# Altium PCB 4_layers_Testboard.PcbDoc (part 1 of 3) (continued)
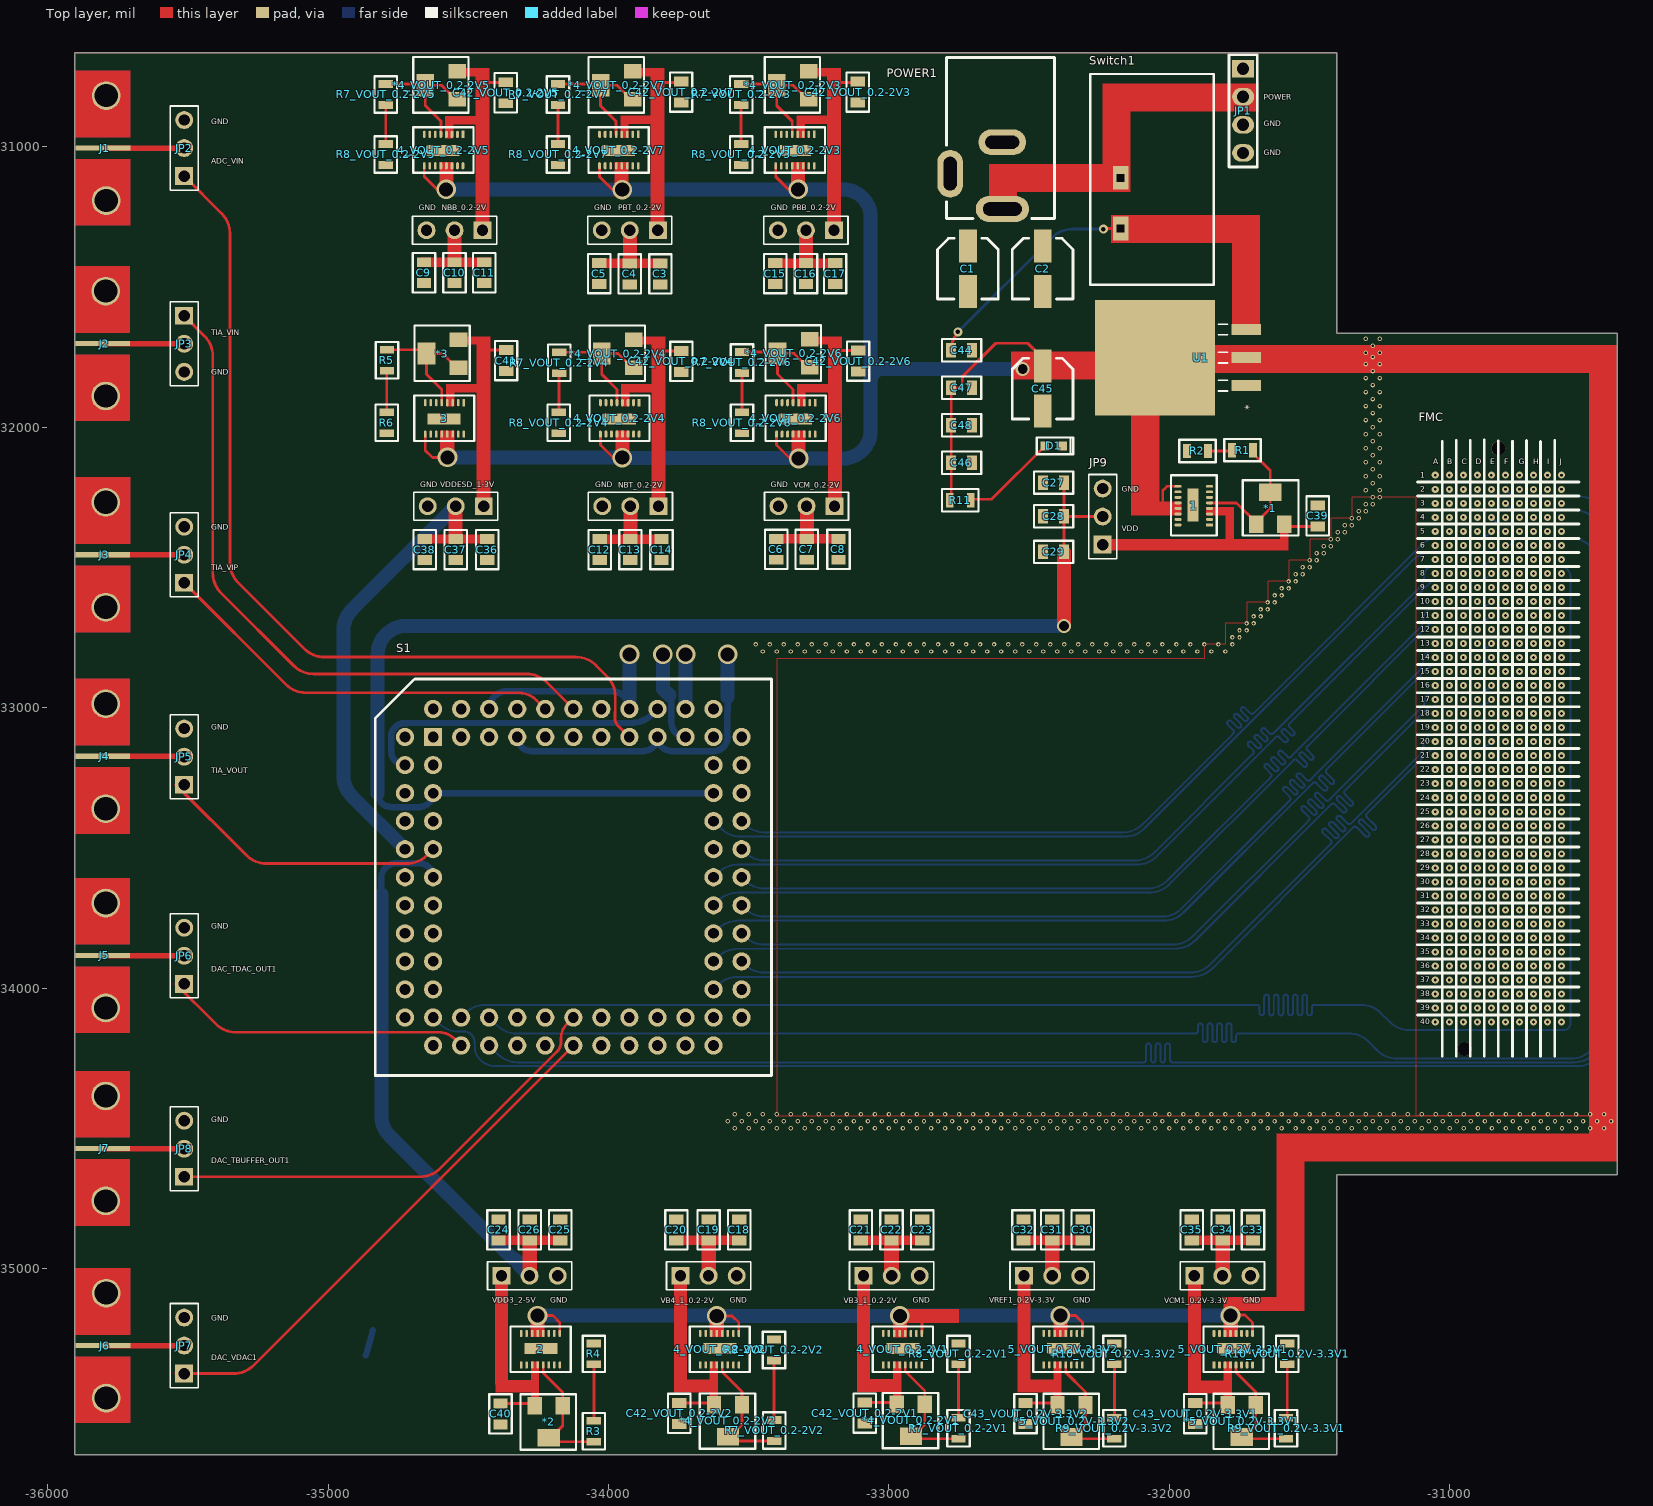
[diagram p0: Top layer view]
## Part data
1 2 3 4_VOUT_0.2-2V1 4_VOUT_0.2-2V2 4_VOUT_0.2-2V3 4_VOUT_0.2-2V4 4_VOUT_0.2-2V5 4_VOUT_0.2-2V6 4_VOUT_0.2-2V7 5_VOUT_0.2V-3.3V1 5_VOUT_0.2V-3.3V2: library part LT3022, "Linear Voltage Regulator IC Positive Adjustable 1 Output 1A 16-DFN (5x3)"
C1 C2 C45: library part CAP-10uF, "CAP ALUM 100UF 20% 10V SMD", ESR (Equivalent Series Resistance)=-, Lifetime @ Temp.="1000 Hrs @ 85°C", Manufacturer="Panasonic Electronic Components", Manufacturer Part Number=EEE-1AA101WR, Operating Temperature="-40°C ~ 85°C", Package / Case="Radial, Can - SMD", Ratings=AEC-Q200, Supplier Part Number 1=PCE3867CT-ND, Tolerance=±20%, Applications=Automotive, Category=Capacitors, ComponentLink1Description=https://industrial.panasonic.com/cdbs/www-data/pdf/RDE0000/ABA0000C1145.pdf, ComponentLink1URL=https://industrial.panasonic.com/cdbs/www-data/pdf/RDE0000/ABA0000C1145.pdf, Height - Seated (Max)="0.213\" (5.40mm)", Lead Spacing=-, Mounting Type="Surface Mount", Packaging="Cut Tape (CT)", Part Status=Active, Polarization=Polar, Pricing 1="1=0.31, 10=0.212, 100=0.1272, 500=0.09538 (USD)", RoHS="RoHS Compliant", Size / Dimension="0.197\" Dia (5.00mm)", Stock 1=89696, Supplier 1=Digi-Key, Surface Mount Land Size="0.209\" L x 0.209\" W (5.30mm x 5.30mm)"
C3 C6 C9 C12 C15 C18 C21 C24 C27 C30 C33 C36: library part "Cap 0.1uF", "Cap 0.1uF", Capacitance=10nF, Case Code (Imperial)=0805, Case Code (Metric)=2012, Dielectric Material=Ceramic, Manufacturer="Taiyo Yuden", Manufacturer Part Number=UMK212SD103KD-T, Max Operating Temperature=125°C, Min Operating Temperature=-55°C, Package Quantity=1, Supplier Part Number 1=587-1114-1-ND, Tolerance=10%, Voltage Rating=50V, Case/Package=0805, ComponentLink1Description=https://datasheet.ciiva.com/138/umk212sd103kd-t-ss-138661.pdf, ComponentLink1URL=https://datasheet.ciiva.com/138/umk212sd103kd-t-ss-138661.pdf, ComponentLink2Description=https://datasheet.ciiva.com/138/mlcc07-e-138662.pdf, ComponentLink2URL=https://datasheet.ciiva.com/138/mlcc07-e-138662.pdf, ComponentLink3Description=https://datasheet.ciiva.com/138/mlcc07-e-138663.pdf, ComponentLink3URL=https://datasheet.ciiva.com/138/mlcc07-e-138663.pdf, ComponentLink4Description=https://datasheet.ciiva.com/30140/303umk212sd103kd-t-30140925.pdf, ComponentLink4URL=https://datasheet.ciiva.com/30140/303umk212sd103kd-t-30140925.pdf, Depth=1.25mm, Halogen Free="Halogen Free", Height=0.85mm, Lead Free="Lead Free", Length=2mm, Mount="Surface Mount", Number of Pins=2, Packaging="Tape and Reel", Pricing 1="1=0.47, 10=0.323, 100=0.1941, 500=0.1455, 1000=0.1229 (USD)", Radiation Hardening=No, Stock 1=14125, Supplier 1=Digi-Key, Termination=SMD/SMT, Thickness=0.037inch, Voltage Rating (DC)=50V, Width=0.049inch
C4 C7 C10 C13 C16 C19 C22 C25 C28 C31 C34 C37: library part "Cap 1uF", "Cap 1uF", Capacitance=10nF, Case Code (Imperial)=0805, Case Code (Metric)=2012, Dielectric Material=Ceramic, Manufacturer="Taiyo Yuden", Manufacturer Part Number=UMK212SD103KD-T, Max Operating Temperature=125°C, Min Operating Temperature=-55°C, Package Quantity=1, Supplier Part Number 1=587-1114-1-ND, Tolerance=10%, Voltage Rating=50V, Case/Package=0805, ComponentLink1Description=https://datasheet.ciiva.com/138/umk212sd103kd-t-ss-138661.pdf, ComponentLink1URL=https://datasheet.ciiva.com/138/umk212sd103kd-t-ss-138661.pdf, ComponentLink2Description=https://datasheet.ciiva.com/138/mlcc07-e-138662.pdf, ComponentLink2URL=https://datasheet.ciiva.com/138/mlcc07-e-138662.pdf, ComponentLink3Description=https://datasheet.ciiva.com/138/mlcc07-e-138663.pdf, ComponentLink3URL=https://datasheet.ciiva.com/138/mlcc07-e-138663.pdf, ComponentLink4Description=https://datasheet.ciiva.com/30140/303umk212sd103kd-t-30140925.pdf, ComponentLink4URL=https://datasheet.ciiva.com/30140/303umk212sd103kd-t-30140925.pdf, Depth=1.25mm, Halogen Free="Halogen Free", Height=0.85mm, Lead Free="Lead Free", Length=2mm, Mount="Surface Mount", Number of Pins=2, Packaging="Tape and Reel", Pricing 1="1=0.47, 10=0.323, 100=0.1941, 500=0.1455, 1000=0.1229 (USD)", Radiation Hardening=No, Stock 1=14125, Supplier 1=Digi-Key, Termination=SMD/SMT, Thickness=0.037inch, Voltage Rating (DC)=50V, Width=0.049inch
C5 C8 C11 C14 C17 C20 C23 C26 C29 C32 C35 C38: library part "Cap 100pF", "Cap 100pF", Capacitance=10nF, Case Code (Imperial)=0805, Case Code (Metric)=2012, Dielectric Material=Ceramic, Manufacturer="Taiyo Yuden", Manufacturer Part Number=UMK212SD103KD-T, Max Operating Temperature=125°C, Min Operating Temperature=-55°C, Package Quantity=1, Supplier Part Number 1=587-1114-1-ND, Tolerance=10%, Voltage Rating=50V, Case/Package=0805, ComponentLink1Description=https://datasheet.ciiva.com/138/umk212sd103kd-t-ss-138661.pdf, ComponentLink1URL=https://datasheet.ciiva.com/138/umk212sd103kd-t-ss-138661.pdf, ComponentLink2Description=https://datasheet.ciiva.com/138/mlcc07-e-138662.pdf, ComponentLink2URL=https://datasheet.ciiva.com/138/mlcc07-e-138662.pdf, ComponentLink3Description=https://datasheet.ciiva.com/138/mlcc07-e-138663.pdf, ComponentLink3URL=https://datasheet.ciiva.com/138/mlcc07-e-138663.pdf, ComponentLink4Description=https://datasheet.ciiva.com/30140/303umk212sd103kd-t-30140925.pdf, ComponentLink4URL=https://datasheet.ciiva.com/30140/303umk212sd103kd-t-30140925.pdf, Depth=1.25mm, Halogen Free="Halogen Free", Height=0.85mm, Lead Free="Lead Free", Length=2mm, Mount="Surface Mount", Number of Pins=2, Packaging="Tape and Reel", Pricing 1="1=0.47, 10=0.323, 100=0.1941, 500=0.1455, 1000=0.1229 (USD)", Radiation Hardening=No, Stock 1=14125, Supplier 1=Digi-Key, Termination=SMD/SMT, Thickness=0.037inch, Voltage Rating (DC)=50V, Width=0.049inch
C39 C40 C41 C42_VOUT_0.2-2V1 C42_VOUT_0.2-2V2 C42_VOUT_0.2-2V3 C42_VOUT_0.2-2V4 C42_VOUT_0.2-2V5 C42_VOUT_0.2-2V6 C42_VOUT_0.2-2V7 C43_VOUT_0.2V-3.3V1 C43_VOUT_0.2V-3.3V2: library part "Cap 10uF", "Cap 10uF", Capacitance=10nF, Case Code (Imperial)=0805, Case Code (Metric)=2012, Dielectric Material=Ceramic, Manufacturer="Taiyo Yuden", Manufacturer Part Number=UMK212SD103KD-T, Max Operating Temperature=125°C, Min Operating Temperature=-55°C, Package Quantity=1, Supplier Part Number 1=587-1114-1-ND, Tolerance=10%, Voltage Rating=50V, Case/Package=0805, ComponentLink1Description=https://datasheet.ciiva.com/138/umk212sd103kd-t-ss-138661.pdf, ComponentLink1URL=https://datasheet.ciiva.com/138/umk212sd103kd-t-ss-138661.pdf, ComponentLink2Description=https://datasheet.ciiva.com/138/mlcc07-e-138662.pdf, ComponentLink2URL=https://datasheet.ciiva.com/138/mlcc07-e-138662.pdf, ComponentLink3Description=https://datasheet.ciiva.com/138/mlcc07-e-138663.pdf, ComponentLink3URL=https://datasheet.ciiva.com/138/mlcc07-e-138663.pdf, ComponentLink4Description=https://datasheet.ciiva.com/30140/303umk212sd103kd-t-30140925.pdf, ComponentLink4URL=https://datasheet.ciiva.com/30140/303umk212sd103kd-t-30140925.pdf, Depth=1.25mm, Halogen Free="Halogen Free", Height=0.85mm, Lead Free="Lead Free", Length=2mm, Mount="Surface Mount", Number of Pins=2, Packaging="Tape and Reel", Pricing 1="1=0.47, 10=0.323, 100=0.1941, 500=0.1455, 1000=0.1229 (USD)", Radiation Hardening=No, Stock 1=14125, Supplier 1=Digi-Key, Termination=SMD/SMT, Thickness=0.037inch, Voltage Rating (DC)=50V, Width=0.049inch
C44 C46 C47 C48: library part UMK212SD103KD-T, "CAP 10nF 50V RF", Capacitance=10nF, Case Code (Imperial)=0805, Case Code (Metric)=2012, Dielectric Material=Ceramic, Manufacturer="Taiyo Yuden", Max Operating Temperature=125°C, Min Operating Temperature=-55°C, Package Quantity=1, Supplier Part Number 1=587-1114-1-ND, Tolerance=10%, Voltage Rating=50V, Case/Package=0805, ComponentLink1Description=https://datasheet.ciiva.com/138/umk212sd103kd-t-ss-138661.pdf, ComponentLink1URL=https://datasheet.ciiva.com/138/umk212sd103kd-t-ss-138661.pdf, ComponentLink2Description=https://datasheet.ciiva.com/138/mlcc07-e-138662.pdf, ComponentLink2URL=https://datasheet.ciiva.com/138/mlcc07-e-138662.pdf, ComponentLink3Description=https://datasheet.ciiva.com/138/mlcc07-e-138663.pdf, ComponentLink3URL=https://datasheet.ciiva.com/138/mlcc07-e-138663.pdf, ComponentLink4Description=https://datasheet.ciiva.com/30140/303umk212sd103kd-t-30140925.pdf, ComponentLink4URL=https://datasheet.ciiva.com/30140/303umk212sd103kd-t-30140925.pdf, Depth=1.25mm, Halogen Free="Halogen Free", Height=0.85mm, Lead Free="Lead Free", Length=2mm, Manufacturer Part Number=UMK212SD103KD-T, Mount="Surface Mount", Number of Pins=2, Packaging="Tape and Reel", Pricing 1="1=0.47, 10=0.323, 100=0.1941, 500=0.1455, 1000=0.1229 (USD)", Radiation Hardening=No, Stock 1=14125, Supplier 1=Digi-Key, Termination=SMD/SMT, Thickness=0.037inch, Voltage Rating (DC)=50V, Width=0.049inch
D1: library part "LG L29K-G2J1-24-Z", "LED GREEN DIFFUSED 0603 SMD", Current - Test=2mA, Lens Color=White, Manufacturer="OSRAM Opto Semiconductors Inc.", Millicandela Rating=3.92mcd, Package / Case="0603 (1608 Metric)", Supplier Device Package=0603, Supplier Part Number 1=475-2709-1-ND, Voltage - Forward (Vf) (Typ)=1.7V, Category=Optoelectronics, Color=Green, ComponentLink1Description=http://www.osram-os.com/Graphics/XPic0/00167682_0.pdf, ComponentLink1URL=http://www.osram-os.com/Graphics/XPic0/00167682_0.pdf, Features=-, Height (Max)=0.65mm, Lens Style/Size="Rectangle with Flat Top, 1.30mm x 0.80mm", Lens Transparency=Diffused, Manufacturer Part Number="LG L29K-G2J1-24-Z", Mounting Type="Surface Mount", Packaging="Cut Tape (CT)", Part Status=Active, Pricing 1="1=0.47, 10=0.339, 25=0.2768, 100=0.2215, 250=0.18688, 500=0.15918, 1000=0.12458, 2500=0.1142 (USD)", RoHS="RoHS Compliant", Size / Dimension="1.70mm L x 0.80mm W", Stock 1=0, Supplier 1=Digi-Key, Viewing Angle=160°, Wavelength - Dominant=570nm, Wavelength - Peak=572nm
J1 J2 J3 J4 J5 J6 J7: "SMA Right Angle Jack, Edge Mount Screw On, Heavy Duty, Up to 18 GHz, -65 to 165 degC", PartNumber=32K243-40ML5, ComponentLink1Description="Manufacturer URL", ComponentLink1URL=http://www.rosenberger.de, ComponentLink2Description=Datasheet, ComponentLink2URL=http://rosenberger.de/ok/images/documents/db/32K243-40ML5.pdf, ComponentLink3Description="Package Specification", ComponentLink3URL=http://rosenberger.de/ok/images/documents/db/32K243-40ML5.pdf, ComponentLink4Description="Series Overview / Design Note", ComponentLink4URL=http://rosenberger.de/ok/images/documents/spez/32.pdf, ComponentLink5Description="Webshop / RFQ", ComponentLink5URL=http://www.rosenberger.com/en/contact/sales/, DatasheetVersion=c00, Design Note="Footprint in library is a generic example - only application specific footprint delivers High Performance", Mounting Technology="Surface Mount", PackageDescription="SMA Right Angle Jack, Edge Mount Screw On, 14.50 x 14.00 x 5.15 mm", PackageReference=32K243-40ML5, PackageVersion=c00
JP1: library part 68000-204HLF, "B.II CONN HEADER 4POS .100 STR 15AU", Colour=Black, Current Rating=3A, Flammability Rating="UL94 V-0", Insulation Resistance=5GR, Manufacturer="Amphenol FCI", Max Operating Temperature=125°C, Max Voltage Rating (AC)=1.5kV, Min Operating Temperature=-65°C, Package Quantity=100, Supplier Part Number 1=609-3255-ND, ComponentLink1Description=https://datasheet.ciiva.com/728/68000-728901.pdf, ComponentLink1URL=https://datasheet.ciiva.com/728/68000-728901.pdf, ComponentLink2Description=https://datasheet.ciiva.com/22873/70302489-22873093.pdf, ComponentLink2URL=https://datasheet.ciiva.com/22873/70302489-22873093.pdf, ComponentLink3Description=https://datasheet.ciiva.com/10149/68000-10149835.pdf, ComponentLink3URL=https://datasheet.ciiva.com/10149/68000-10149835.pdf, ComponentLink4Description=https://datasheet.ciiva.com/5149/68000-274280-5149869.pdf, ComponentLink4URL=https://datasheet.ciiva.com/5149/68000-274280-5149869.pdf, ComponentLink5Description=https://datasheet.ciiva.com/46395/1914865-46395853.pdf, ComponentLink5URL=https://datasheet.ciiva.com/46395/1914865-46395853.pdf, Connector Type="Male Pin", Contact Gender=Male, Contact Material=Bronze, Contact Mating Length=0.23inch, Contact Plating=Nickel,Gold,GXT, Depth=2.41mm, Gender=Male, Housing Colour=Black, Housing Material=Thermoplastic, Length=10.16mm, Manufacturer Part Number=68000-204HLF, Mating Post Length=5.84mm, Mount="Through Hole", Number of Contacts=4, Number of Positions=4, Number of Rows=1, Orientation=Straight, Packaging=Bulk, Pitch=2.54mm, Pricing 1="1=0.31, 10=0.293, 100=0.2048, 500=0.1756, 1000=0.1463, 5000=0.1254, 10000=0.117 (USD)", Radiation Hardening=No, Stock 1=4921, Supplier 1=Digi-Key, Termination=Solder, Termination Post Length=2.41mm, Voltage Rating=1.5kV
JP2 JP3 JP4 JP5 JP6 JP7 JP8 JP9 NBB_0.2-2V NBT_0.2-2V PBB_0.2-2V PBT_0.2-2V VB3_1_0.2-2V VB4_1_0.2-2V VCM1_0.2V-3.3V VCM_0.2-2V VDD3_2-5V VDDESD_1-3V VREF1_0.2V-3.3V: library part Jumper-01x03, "01X03 generic terminal connector"
POWER1: "PJ-002AH", Colour=Black, Current Rating=5A, Flammability Rating="UL94 V-0", Insulation Resistance=50MR, Manufacturer=CUI, Max Operating Temperature=85°C, Min Operating Temperature=-25°C, Package Quantity=500, Supplier Part Number 1=CP-002AH-ND, Voltage Rating=24V, ComponentLink1Description=http://www.cui.com/Product/Resource/FuturePDF/PJ-002AH.pdf, ComponentLink1URL=http://www.cui.com/Product/Resource/FuturePDF/PJ-002AH.pdf, ComponentLink2Description=http://www.cui.com/product/resource/digikeypdf/pj-002ah.pdf, ComponentLink2URL=http://www.cui.com/product/resource/digikeypdf/pj-002ah.pdf, ComponentLink3Description=http://www.mouser.com/ds/2/670/pj-002ah-516007.pdf, ComponentLink3URL=http://www.mouser.com/ds/2/670/pj-002ah-516007.pdf, Connector Type=Jack, Contact Gender=Male, Contact Material="Copper,Copper Alloy", Contact Plating=Nickel, Diameter=2.1mm, Gender=Male, Housing Colour=Black, Housing Material=Thermoplastic, Lead Free="Lead Free", Manufacturer Part Number=PJ-002AH, Mount="Through Hole", Number of Conductors=2, Orientation=Horizontal, Packaging=Bulk, Pricing 1="1=0.74, 10=0.696, 25=0.6264, 50=0.5568, 100=0.5336, 250=0.4872, 500=0.464, 1000=0.3828, 2500=0.348 (USD)", Shielding=Unshielded, Stock 1=95768, Supplier 1=Digi-Key, Termination="Through Hole"
R1 R2 R3 R4 R5 R6 R7_VOUT_0.2-2V1 R7_VOUT_0.2-2V2 R7_VOUT_0.2-2V3 R7_VOUT_0.2-2V4 R7_VOUT_0.2-2V5 R7_VOUT_0.2-2V6 R7_VOUT_0.2-2V7 R8_VOUT_0.2-2V1 R8_VOUT_0.2-2V2 R8_VOUT_0.2-2V3 R8_VOUT_0.2-2V4 R8_VOUT_0.2-2V5 R8_VOUT_0.2-2V6 R8_VOUT_0.2-2V7 R9_VOUT_0.2V-3.3V1 R9_VOUT_0.2V-3.3V2 R10_VOUT_0.2V-3.3V1 R10_VOUT_0.2V-3.3V2: library part "Res 100"
R11: library part RES
S1: library part 940-44-020-24-000000, Case/Package=PLCC, Manufacturer=Mill-Max, Max Operating Temperature=120°C, Min Operating Temperature=-40°C, Package Quantity=38, Supplier Part Number 1=ED90005-ND, Body Material=PPS, Category="IC and Component Sockets", ComponentLink1Description=https://datasheet.ciiva.com/3963/940-44-020-24-000000-3963718.pdf?src-supplier=Arrow+Electronics, ComponentLink1URL=https://datasheet.ciiva.com/3963/940-44-020-24-000000-3963718.pdf?src-supplier=Arrow+Electronics, ComponentLink2Description=https://datasheet.ciiva.com/16425/9404402024000000-16425193.pdf?src-supplier=Future+Electronics, ComponentLink2URL=https://datasheet.ciiva.com/16425/9404402024000000-16425193.pdf?src-supplier=Future+Electronics, Contact Material=Copper, Contact Plating=Tin, Contact Type="Type D", Depth=15.57mm, Housing Material=Polyphenylene, Insulation Material=Polyphenylene, Lead Free="Lead Free", Length=15.57mm, Manufacturer Part Number=940-44-020-24-000000, Mount="Through Hole", Number of Contacts=20, Number of Pins=20, Number of Positions=20, Number of Rows=4, Orientation=Straight, Packaging=Rail/Tube, Pitch=0.1inch, Pricing 1="1=1.60000, 10=1.44800, 25=1.35920, 50=1.30020, 100=1.24110, 250=1.12292, 500=1.03426, 1000=0.88650, 2500=0.82740 (USD)", RoHS=Yes, RoHS Compliant=Yes, Series=940, Stock 1=458, Supplier 1=Digi-Key, Termination=Solder, Width=15.57mm
Switch1: "L101011MS02Q", Contact Current Rating=2A, Current Rating=4A, Manufacturer="ITT C&K", Max Operating Temperature=65°C, Max Voltage Rating (AC)=250V, Max Voltage Rating (DC)=125V, Min Operating Temperature=-30°C, Package Quantity=1, Supplier Part Number 1=CKC5106-ND, Voltage Rating (DC)=28V, Actuator Length=5.08mm, Actuator Material=Nylon,Polyamide, ComponentLink1Description=https://datasheet.ciiva.com/17406/l-10jun14-17406600.pdf, ComponentLink1URL=https://datasheet.ciiva.com/17406/l-10jun14-17406600.pdf, ComponentLink2Description=https://datasheet.ciiva.com/18147/getdatasheetpartid-301248-18147196.pdf, ComponentLink2URL=https://datasheet.ciiva.com/18147/getdatasheetpartid-301248-18147196.pdf, ComponentLink3Description=https://datasheet.ciiva.com/2889/l-10jun14-2889869.pdf, ComponentLink3URL=https://datasheet.ciiva.com/2889/l-10jun14-2889869.pdf, Contact Material=Copper, Contact Plating=Silver, Depth=10.8mm, Electrical Life=10000Cycles, Housing Material=Nylon, Lead Free="Lead Free", Length=19.1mm, Manufacturer Part Number=L101011MS02Q, Max Current Rating=4A, Mount="Through Hole", Orientation=Straight, Packaging=Bulk, Pricing 1="1=1.65, 10=1.584, 25=1.5504, 50=1.3482, 100=1.3145, 250=1.2808, 500=1.0786, 1000=1.0112, 5000=0.9269 (USD)", Radiation Hardening=No, Stock 1=8267, Supplier 1=Digi-Key, Switch Function=On-Off, Switch Travel=3.81mm, Termination="PC Pins", Throw Configuration=SPST, Voltage Rating (AC)=125V
U1: library part LM1085-IS-5.0/NOP, "No Description Available", Manufacturer_Part_Number=LM1085IS-5.0/NOPB, Supplier Part Number 1=LM1085IS-5.0/NOPB-ND, Built_By=EMA_UL_Team, Copyright="Copyright (C) 2018 Accelerated Designs. All rights reserved", RefDes=RefDes, SourceLibrary=National_2011-09-26, Supplier 1=Digi-Key, Type=DEV, Vendor="Texas Instruments"

## Via types
v1: diameter 25, hole 10, Top layer to Bottom Layer, 399 vias
v2: diameter 16, hole 8, Top layer to Bottom Layer, 336 vias
v3: diameter 70, hole 50, Top layer to Bottom Layer, 15 vias
v4: diameter 50, hole 35, Top layer to Bottom Layer, 2 vias
v5: diameter 32, hole 16, Top layer to Bottom Layer, 2 vias
v6: diameter 25, hole 10, Top layer to Bottom Layer, tented both sides, 1 vias

## Nets (pads, with @x,y where several pads share a name; then routed paths per layer and width w, separated by ;. In a path a pad name is that pad's centre, name@x,y a point inside that pad or via, vN(x,y) a via of type N, cw(c..) or ccw(c..) an arc to the next point about the centre after c; other vN are vias at no path point)
0.5V-2V: C27.2 C28.1 C29.2 JP9.2 S1.29 S1.59 | length 4930.2
  Top layer w10: C29.2@-32375.66,-32444.87 C28.1@-32375.66,-32317.87 ; C27.2@-32362.94,-32218.46 -32375.66,-32205.74 C27.2@-32375.66,-32197.87 C28.1@-32375.66,-32317.87 ; JP9.2@-32238,-32319 -32374.53,-32319 C28.1@-32375.66,-32317.87
  Top layer w50: v4(-32376,-32709) -32375.66,-32708.66 C29.2@-32375.66,-32444.87
  Bottom Layer w23: -34823.22,-33306.41 ccw(c-34774.93,-33306.41) -34774.93,-33354.7 -34725.74,-33355 ccw(c-34725.44,-33305) -34724.9,-33355 -34697.56,-33354.7 -34675.14,-33354.7 ccw(c-34675.14,-33305) S1.59@-34625.44,-33305 S1.29@-33625.44,-33305
  Bottom Layer w50: -34823.22,-33306.41 -34823.22,-32810.22 cw(c-34722,-32810.22) -34722,-32709 v4(-32376,-32709)
1-3V: C36.2 C37.1 C38.2 S1.32 S1.62 VDDESD_1-3V.2 | length 3046.1
  Inner Layer 2 w23: S1.62@-34725.44,-33505 -34703.73,-33483.29 cw(c-34633.02,-33554) -34637.98,-33454.12 cw(c-34636.88,-33477.1) -34633.31,-33454.38 ccw(c-34625.44,-33405) -34617.13,-33454.31 cw(c-34613.4,-33477) -34613.46,-33454 -33919.42,-33454 ccw(c-33919.42,-33354) -33848.71,-33424.71 -33708.29,-33284.29 cw(c-33637.58,-33355) -33671.69,-33261 cw(c-33637.58,-33355) -33637.58,-33255 -33625.86,-33255 cw(c-33625.44,-33305) -33625.04,-33255 -33545,-33255 -33525.44,-33255 ccw(c-33525.44,-33205) -33523.59,-33254.97 -33486.27,-33253.58 ccw(c-33486.27,-33221.31) -33454,-33221.31 -33454,-33136 ccw(c-33485,-33136) -33485,-33105 S1.32@-33525.44,-33105 S1.32@-33545.41,-33105
  Bottom Layer w50: S1.62@-34725.44,-33505 -34915.71,-33314.73 cw(c-34845,-33244.02) -34945,-33244.02 -34945,-32723.47 cw(c-34845,-32723.47) -34915.71,-32652.76 VDDESD_1-3V.2@-34544.95,-32282
2V-5V: C24.2 C25.1 C26.2 S1.65 VDD3_2-5V.2 | length 1877.3
  Bottom Layer w23: -34810,-33666 -34810,-33608 cw(c-34757,-33608) -34757,-33555 -34675.44,-33555 cw(c-34675.44,-33605) S1.65@-34625.44,-33605
  Bottom Layer w50: -34810,-33666 -34810,-34455.96 ccw(c-34710,-34455.96) -34780.71,-34526.67 -34351.81,-34955.57 ccw(c-34316.56,-34920.1) -34336.96,-34965.75 cw(c-34349.49,-34994.11) -34321.13,-34981.59 ccw(c-34275.48,-34961.19) -34310.94,-34996.43 VDD3_2-5V.2@-34281.38,-35026
12-5V_regulator: 1.9 1.12 1.13 1.14 2.9 2.12 2.13 2.14 3.9 3.12 3.13 3.14 4_VOUT_0.2-2V1.9 4_VOUT_0.2-2V1.12 4_VOUT_0.2-2V1.13 4_VOUT_0.2-2V1.14 4_VOUT_0.2-2V2.9 4_VOUT_0.2-2V2.12 4_VOUT_0.2-2V2.13 4_VOUT_0.2-2V2.14 4_VOUT_0.2-2V3.9 4_VOUT_0.2-2V3.12 4_VOUT_0.2-2V3.13 4_VOUT_0.2-2V3.14 4_VOUT_0.2-2V4.9 4_VOUT_0.2-2V4.12 4_VOUT_0.2-2V4.13 4_VOUT_0.2-2V4.14 4_VOUT_0.2-2V5.9 4_VOUT_0.2-2V5.12 4_VOUT_0.2-2V5.13 4_VOUT_0.2-2V5.14 4_VOUT_0.2-2V6.9 4_VOUT_0.2-2V6.12 4_VOUT_0.2-2V6.13 4_VOUT_0.2-2V6.14 4_VOUT_0.2-2V7.9 4_VOUT_0.2-2V7.12 4_VOUT_0.2-2V7.13 4_VOUT_0.2-2V7.14 5_VOUT_0.2V-3.3V1.9 5_VOUT_0.2V-3.3V1.12 5_VOUT_0.2V-3.3V1.13 5_VOUT_0.2V-3.3V1.14 5_VOUT_0.2V-3.3V2.9 5_VOUT_0.2V-3.3V2.12 5_VOUT_0.2V-3.3V2.13 5_VOUT_0.2V-3.3V2.14 C45.1 C46.1 C47.1 C48.1 R11.2 U1.2 U1.4 | length 9785.2
  Top layer w10: 4_VOUT_0.2-2V5.9@-34656.75,-31068.13 -34656.75,-31107.25 -34612.14,-31151.86 -34579.14,-31151.86 v3(-34579,-31152) v3@-34578,-31151 ; 3.9@-34653.75,-32025 -34653.75,-32082.25 -34628,-32108 v3(-34574,-32108) ; v3@-34253.5,-35200 v3@-34253.5,-35193.5 ; v3(-34253,-35168) -34253.5,-35168.5 v3@-34253.5,-35193.5 ; 2.9@-34173.62,-35231.84 -34173.62,-35192.72 -34198.34,-35168 -34233,-35168 -34253.5,-35188.5 v3@-34253.5,-35193.5 ; 4_VOUT_0.2-2V7.9@-34031.76,-31068.13 -34031.76,-31107.25 -33987.14,-31151.87 -33952.13,-31151.87 v3(-33951,-31153) -33951,-31102 -33953,-31100 ; 4_VOUT_0.2-2V4.9@-34028.76,-32025 -34028.76,-32064.12 -33984.51,-32108.37 -33952.37,-32108.37 v3@-33951.74,-32109 ; v3@-33614.5,-35200 v3@-33614.5,-35194.5 ; v3(-33614,-35169) -33614.5,-35169.5 v3@-33614.5,-35194.5 ; 4_VOUT_0.2-2V2.9@-33535.24,-35231.84 -33535.24,-35192.72 -33558.96,-35169 -33594,-35169 -33614.5,-35189.5 v3@-33614.5,-35194.5 ; 4_VOUT_0.2-2V3.9@-33403.76,-31068.13 -33403.76,-31107.25 -33359.14,-31151.87 -33324.13,-31151.87 v3(-33324,-31152) -33324,-31100.5 -33325,-31099.5 ; 4_VOUT_0.2-2V6.9@-33400.76,-32025 -33400.76,-32064.12 -33356.14,-32108.74 -33325.26,-32108.74 v3(-33322,-32112) ; v3@-32961,-35201 v3(-32961,-35169) ; v3@-32961,-35194 -32936,-35169 -32901.63,-35169 -32882.63,-35188 4_VOUT_0.2-2V1.9@-32882.63,-35231.84 ; R11.2@-32783.09,-32261 -32778.09,-32256 C46.1@-32778.09,-32127.25 C48.1@-32778.09,-31993.5 C47.1@-32778.09,-31859.75 -32738.67,-31859.75 -32738.67,-31820.33 -32619.34,-31701 -32505.02,-31701 -32452,-31754.02 C45.1@-32452,-31781.58 ; v3@-32389,-35200 v3@-32389,-35193 ; v3(-32389,-35168) v3@-32389,-35193 ; 5_VOUT_0.2V-3.3V2.9@-32310.34,-35231.84 -32310.34,-35192.72 -32335.06,-35168 -32369,-35168 -32389,-35188 v3@-32389,-35193 ; -32024,-32271.82 -32024,-32226.82 -32008.25,-32211.07 1.9@-31969.13,-32211.07 ; v3(-31782,-35168) -31781.5,-35168.5 v3@-31781.5,-35191.5 ; v3@-31781.5,-35200 v3@-31781.5,-35191.5 ; 5_VOUT_0.2V-3.3V1.9@-31703.25,-35231.84 -31703.25,-35192.72 -31729.98,-35166 -31761,-35166 -31781.5,-35186.5 v3@-31781.5,-35191.5
  Bottom Layer w50: v3(-34579,-31152) -34578.5,-31152.5 -33951.5,-31152.5 v3(-33951,-31153) -33950.5,-31152.5 -33324.5,-31152.5 v3(-33324,-31152) -33165,-31152 cw(c-33165,-31252) -33065,-31252 -33065,-31751 ; v3(-34574,-32108) -34573.5,-32108.5 -33951.5,-32108.5 -33949.5,-32110.5 -33323.5,-32110.5 v3(-33322,-32112) -33165,-32112 ccw(c-33165,-32012) -33065,-32012 -33065,-31835 ; v3(-34253,-35168) -34252.5,-35168.5 -33614.5,-35168.5 v3(-33614,-35169) v3(-32961,-35169) -32960.5,-35168.5 -32389.5,-35168.5 v3(-32389,-35168) v3(-31782,-35168) ; v4(-32523,-31793) -33023,-31793 ; -33065,-31835 cw(c-33023,-31835) -33023,-31793 ; -33065,-31835 -33065,-31751 ; -33065,-31751 ccw(c-33023,-31751) -33023,-31793
  other v2: -30500,-34500 -30450,-34500 -30475,-34475 -30425,-34475 -30500,-34450 -30450,-34450 -31275,-31800 -31300,-31775 -31250,-31775 -31275,-31750 -31300,-31735 -31250,-31735 -31275,-31710
  other v3: -33951,-32109
12V: C44.1 Switch1.2 U1.3 | length 796.3
  Top layer w10: C44.1@-32778.09,-31726 -32778.09,-31722.15 cw(c-32695.85,-31722.15) v5@-32754,-31664 ; v5(-32235,-31294) cw(c-32230.17,-31298.83) -32230.17,-31292 Switch1.2@-32174,-31292
  Bottom Layer w10: v5(-32754,-31660) -32417.29,-31323.29 cw(c-32346.58,-31394) -32346.58,-31294 v5(-32235,-31294)
ADC_CLK: "FMC HPC1.F4" S1.27 | length 3352.3
  Bottom Layer w7: S1.27@-33625.44,-33405 -33599.73,-33430.71 ccw(c-33529.02,-33360) -33529.02,-33460 -32159.42,-33460 ccw(c-32159.42,-33360) -32088.71,-33430.71 -31134.3,-32476.3 cw(c-31063.59,-32547.01) -31063.59,-32447.01 -31052.12,-32447.01 -30993.22,-32446.62 -30901.84,-32446.01 -30869.42,-32446.51 -30847.43,-32446.51 ccw(c-30847.43,-32427.16) -30829.07,-32433.25 ccw(c-30847.43,-32427.16) -30828.08,-32427.16 cw(c-30821.1,-32427.63) -30827.98,-32426.31 ccw(c-30852,-32421.51) -30827.92,-32417 cw(c-30821.03,-32415.76) -30828.03,-32415.79 -30827.5,-32371.84 ; v1(-30852,-32321.51) -30837.05,-32336.46 cw(c-30859.57,-32358.98) -30827.75,-32357.81 cw(c-30859.57,-32358.98) -30827.73,-32358.97 ; -30827.73,-32358.98 -30827.51,-32371 -30827.5,-32371.06 cw(c-30852,-32371.51) -30827.5,-32371.81
ADC_CLK_SAMPLE: "FMC HPC1.F5" S1.26 | length 3352.3
  Bottom Layer w7: S1.26@-33525.44,-33405 -33514.73,-33415.71 ccw(c-33444.02,-33345) -33444.02,-33445 -32166.42,-33445 ccw(c-32166.42,-33345) -32095.71,-33415.71 -31774.52,-33094.52 -31772.04,-33092.04 ccw(c-31778.05,-33086.03) -31772.04,-33080.02 -31791.38,-33060.69 cw(c-31785.37,-33054.68) -31791.38,-33048.66 cw(c-31785.37,-33054.68) -31779.36,-33048.66 -31758.21,-33069.81 ccw(c-31752.2,-33063.8) -31746.19,-33069.81 ccw(c-31752.2,-33063.8) -31746.19,-33057.79 -31767.33,-33036.64 cw(c-31761.32,-33030.63) -31767.33,-33024.62 cw(c-31761.32,-33030.63) -31755.31,-33024.62 -31734.17,-33045.77 ccw(c-31728.16,-33039.76) -31722.15,-33045.77 ccw(c-31728.16,-33039.76) -31722.15,-33033.74 -31743.04,-33012.86 cw(c-31737.03,-33006.85) -31743.04,-33000.83 cw(c-31737.03,-33006.85) -31731.02,-33000.83 -31711.94,-33019.92 ccw(c-31705.93,-33013.91) -31699.92,-33019.92 -31624.52,-32944.52 -31096.57,-32416.57 cw(c-31048.68,-32464.47) -31059.5,-32397.6 ccw(c-31060.83,-32389.72) -31058.74,-32397.44 cw(c-31052,-32421.51) -31048.68,-32396.73 -31046.59,-32396.72 -31002.12,-32396.51 cw(c-31002,-32421.51) -31002,-32396.51 -30902,-32396.51 ccw(c-30902,-32336.16) -30873.08,-32389.13 ccw(c-30902,-32336.16) -30868.23,-32386.18 ccw(c-30902,-32336.16) v1@-30859.34,-32378.85 ; v1@-30859.32,-32378.83 v1(-30852,-32371.51)